# Altium PCB OBC.PcbDoc (part 1 of 2)
Units mil, origin at the board's own origin, x right, y up, seen from the top; angles counter-clockwise.
Board outline 3775.2 x 3550 mil, 4 copper layers (Top Layer, horizontal, vertical, Bottom Layer), stack 70.112 mil thick; 125 components, 157 nets, 629 pads, 282 vias.
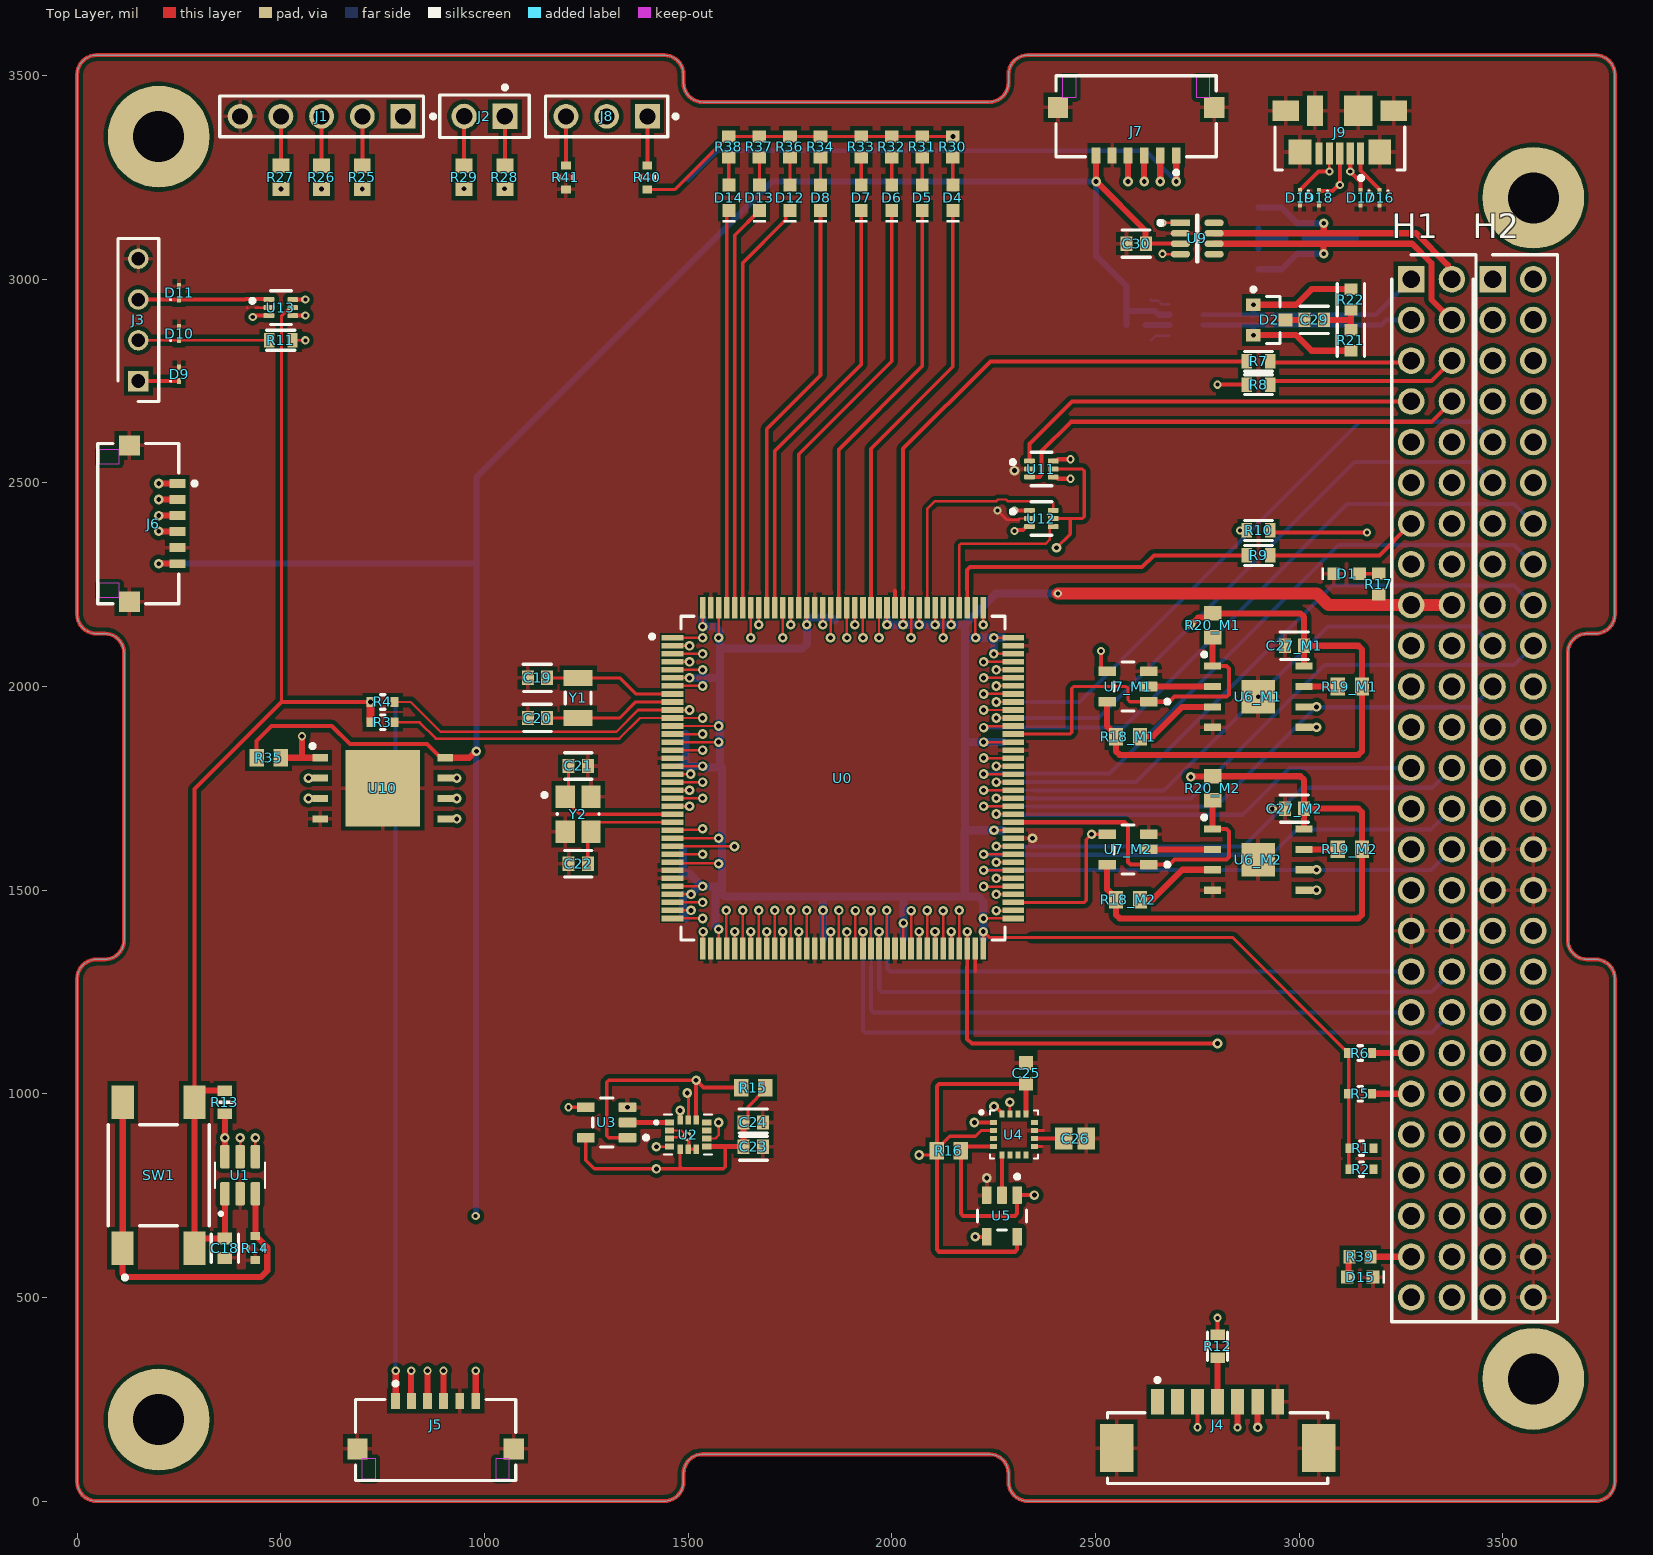
[diagram p0: Top Layer view]
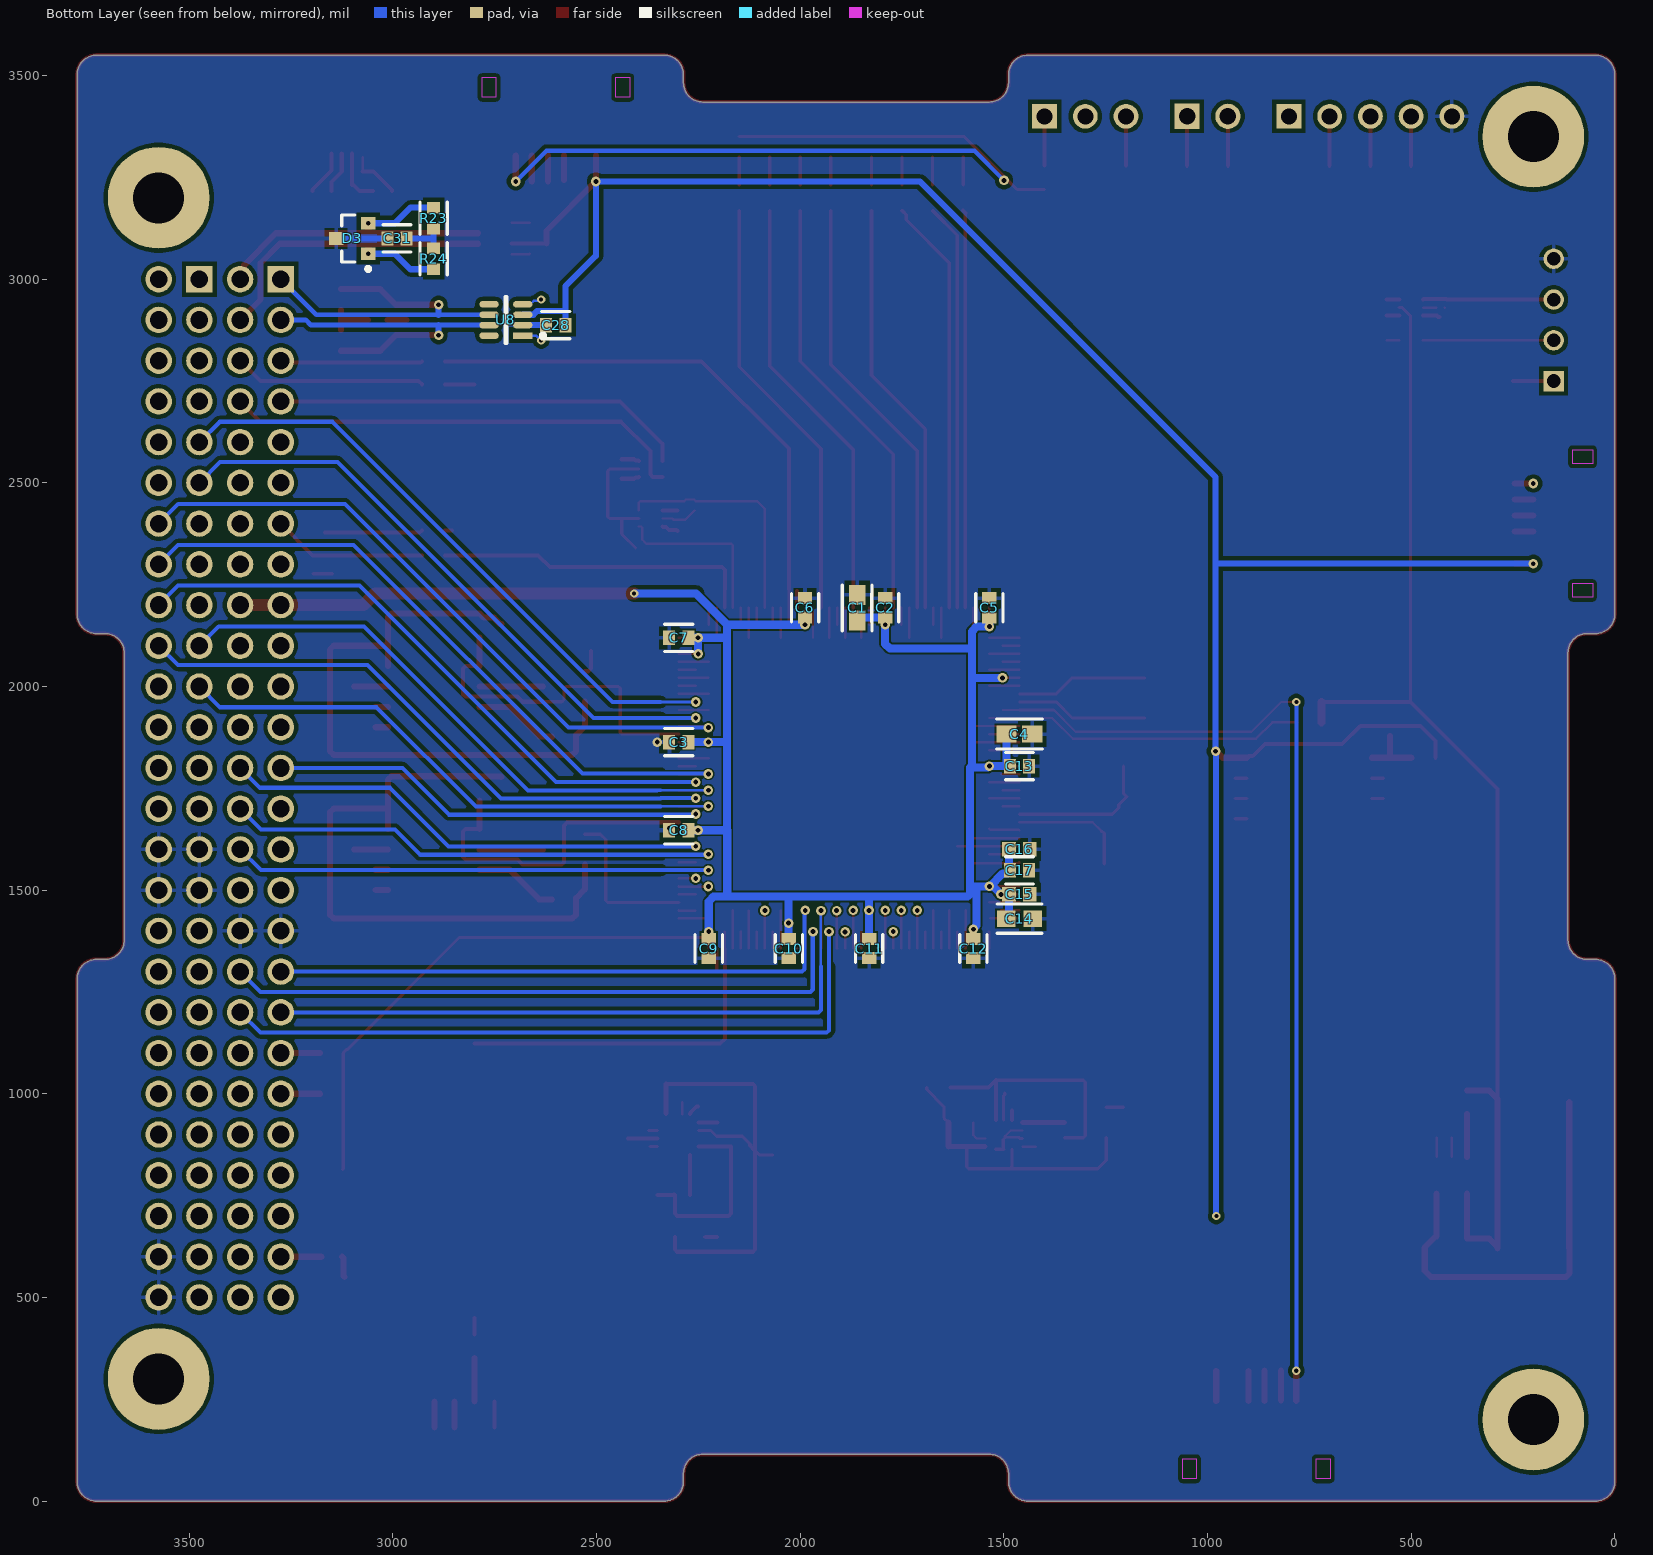
[diagram p1: Bottom Layer view, seen from below]
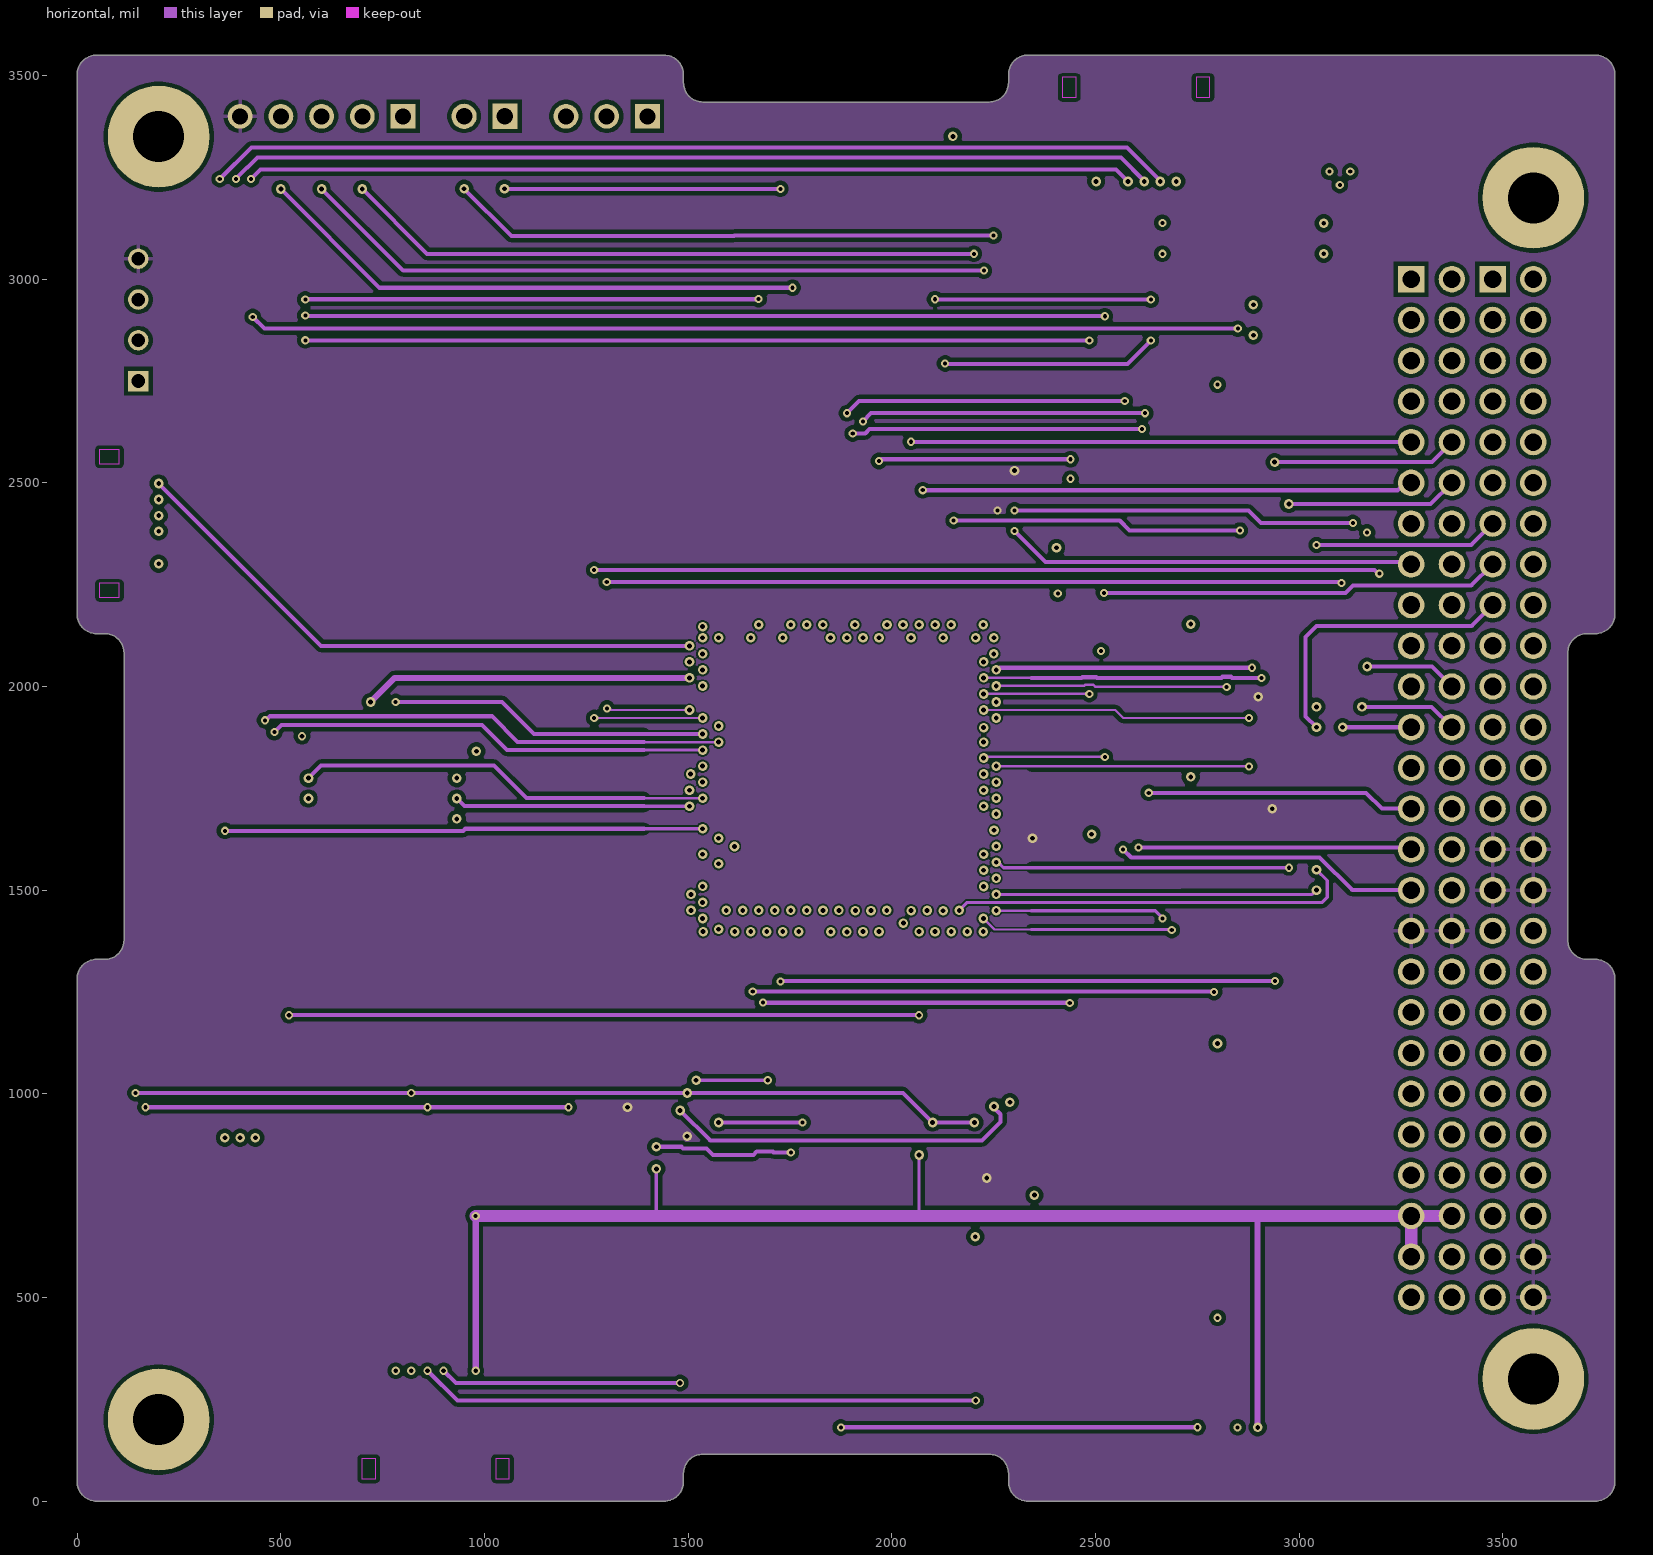
[diagram p2: horizontal]
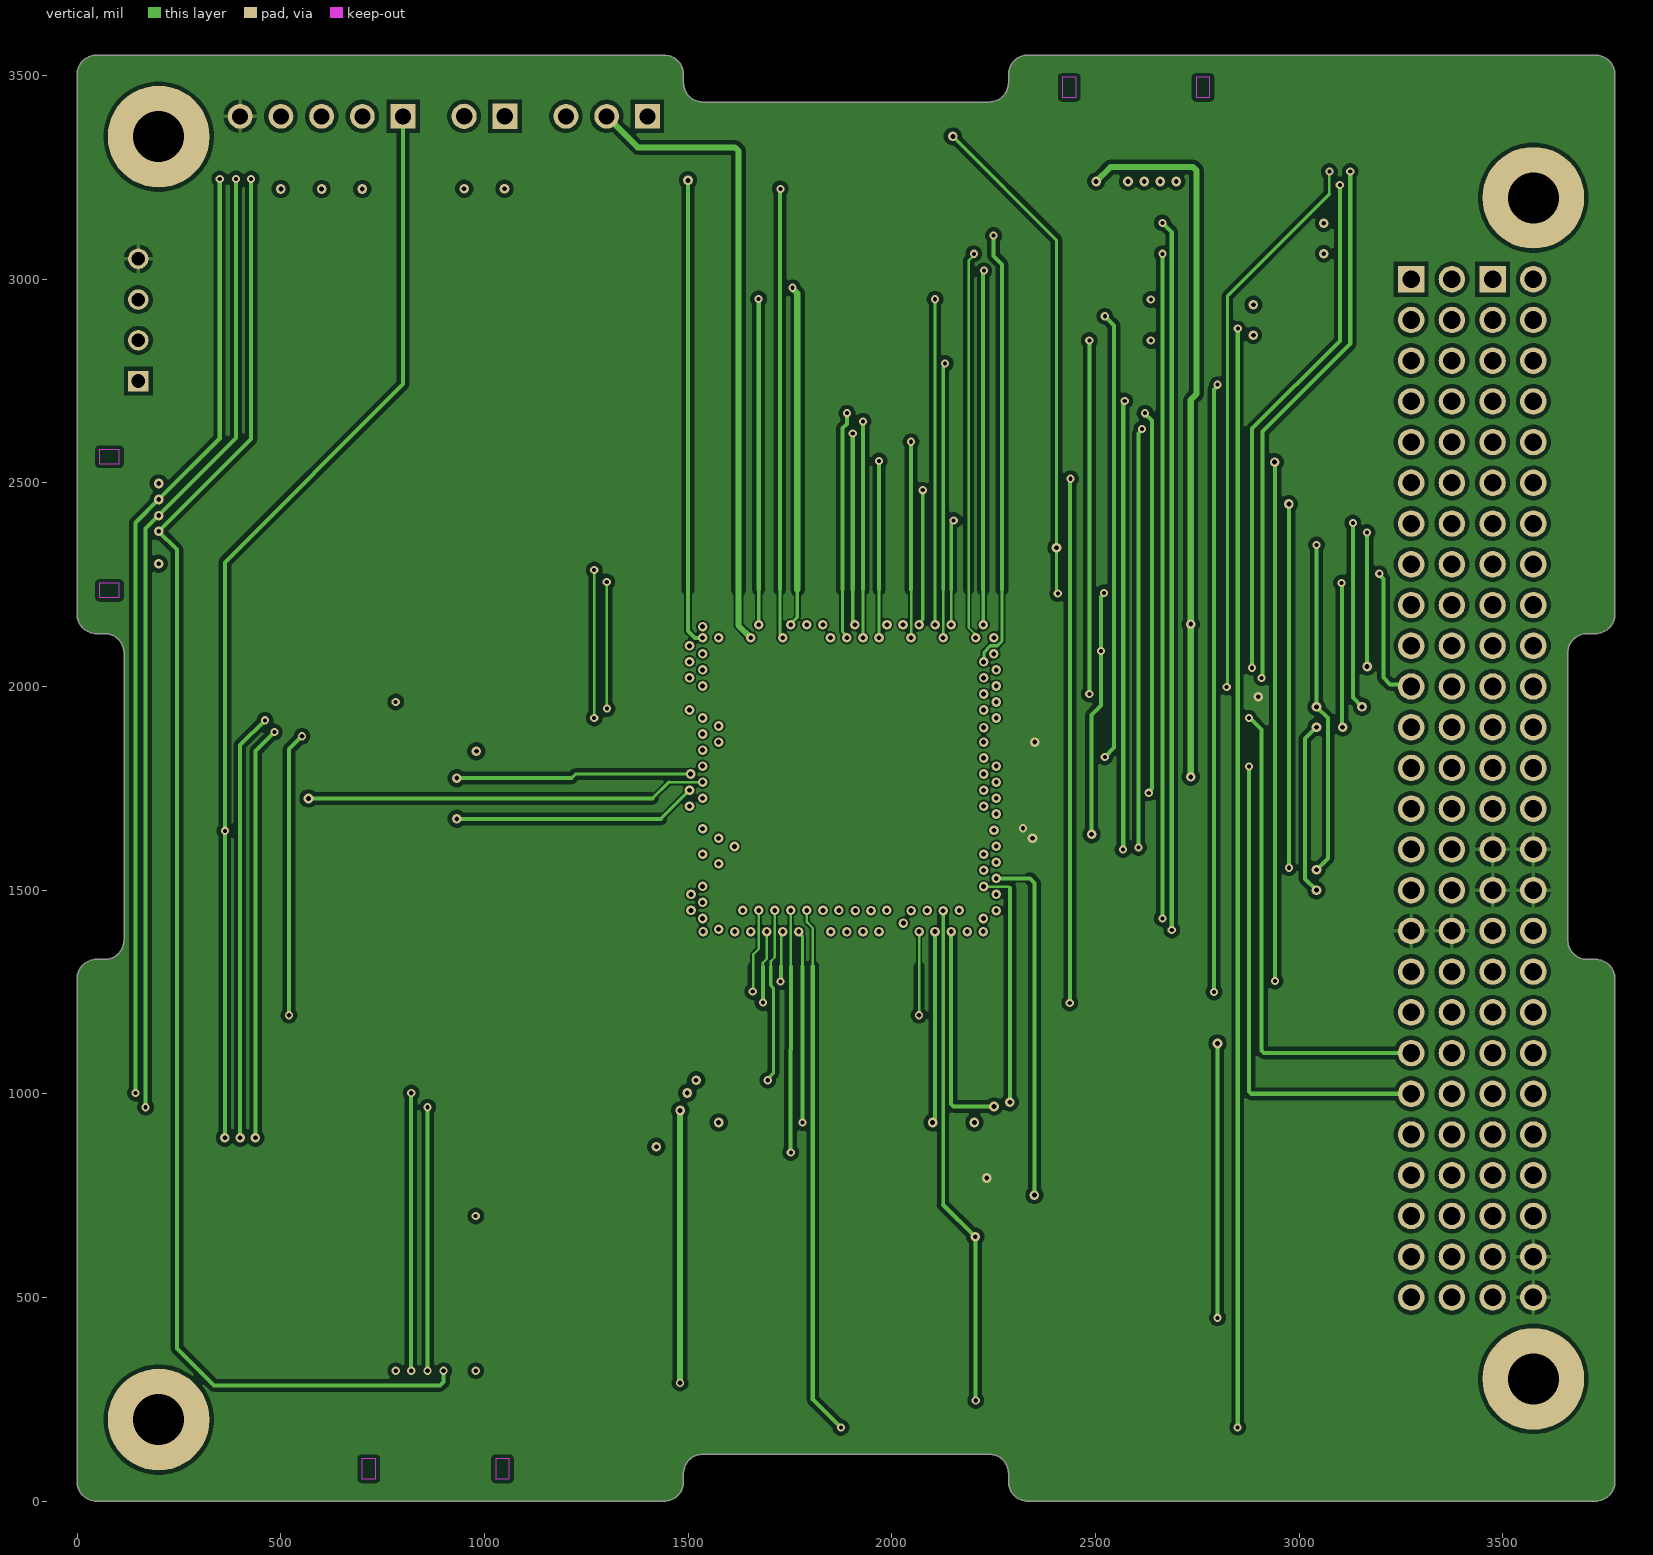
[diagram p3: vertical]
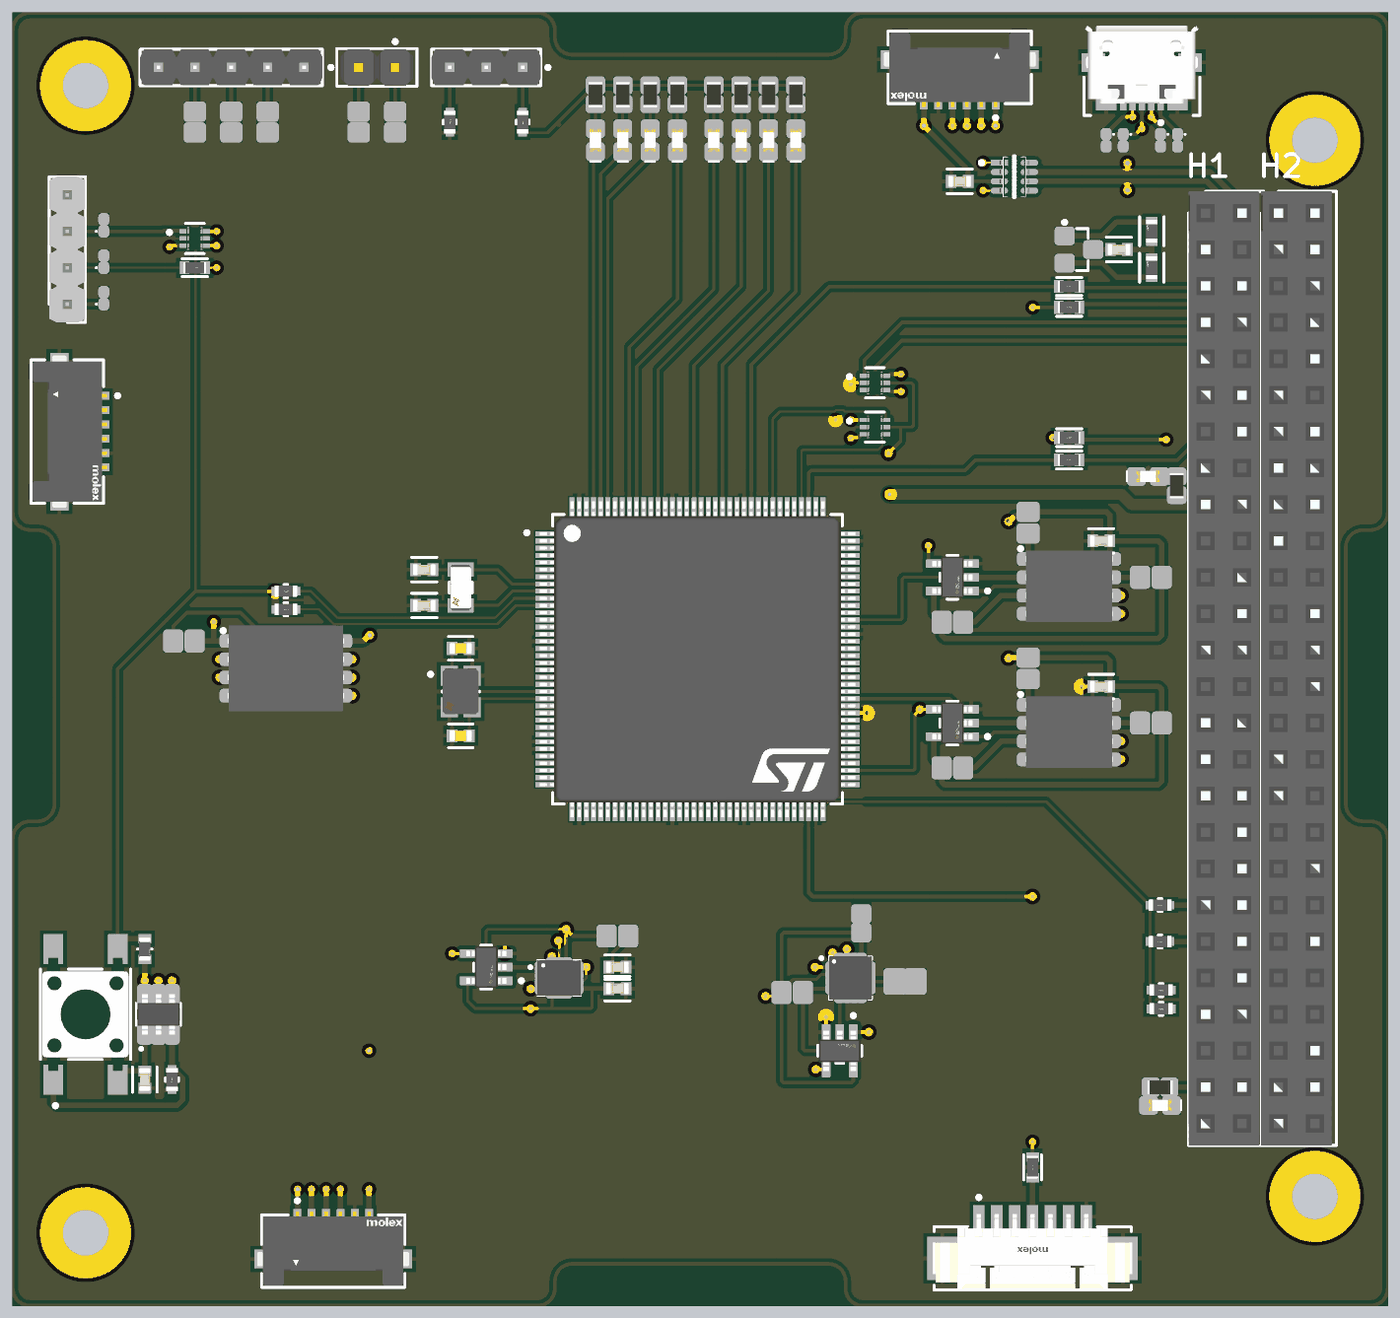
[diagram p5: 3D render of the assembled board from above, using the file's embedded part models]
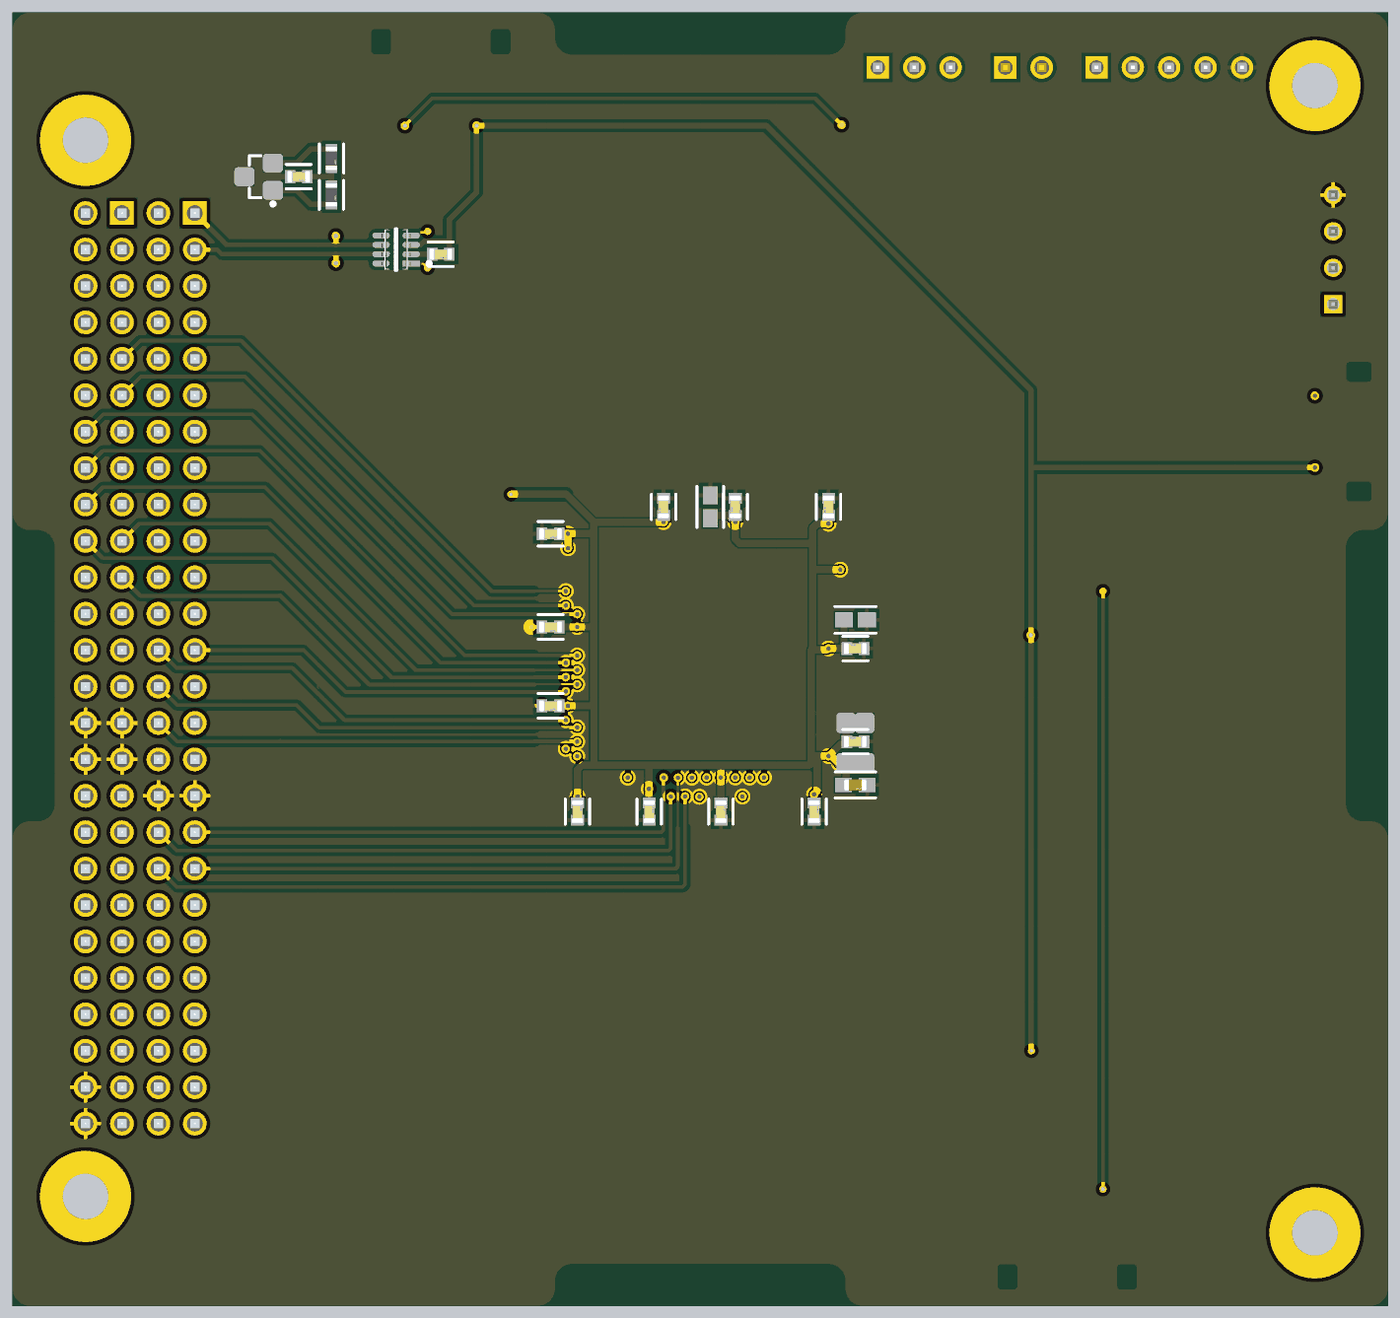
[diagram p6: 3D render of the assembled board from below, using the file's embedded part models]

## Layer stack, top to bottom
Top Solder: solder mask 0.5, Solder Resist, Dk 3.3
Top Layer: signal copper 1.378
Dielectric 1: prepreg 2.8, PP-006, Dk 4.1
horizontal: signal copper 1.378
Dielectric1: core 59, FR-4, Dk 4.3
vertical: signal copper 1.378
Dielectric 2: prepreg 2.8, PP-006, Dk 4.1
Bottom Layer: signal copper 1.378
Bottom Solder: solder mask 0.5, Solder Resist, Dk 3.3

## Board outline
0,47.24 0,1282.68 cw(c47.24,1282.68) 47.24,1329.92 67.72,1329.92 ccw(c67.72,1377.17) 114.96,1377.17 114.96,2082.68 ccw(c67.72,2082.68) 67.72,2129.92 47.24,2129.92 cw(c47.24,2177.17) 0,2177.17 0,3502.76 cw(c47.24,3502.76) 47.24,3550 1441.34,3550 cw(c1441.34,3502.76) 1488.58,3502.76 1488.58,3482.28 ccw(c1535.83,3482.28) 1535.83,3435.04 2239.37,3435.04 ccw(c2239.37,3482.28) 2286.61,3482.28 2286.61,3502.76 cw(c2333.86,3502.76) 2333.86,3550 3727.95,3550 cw(c3727.95,3502.76) 3775.2,3502.76 3775.2,2177.17 cw(c3727.95,2177.17) 3727.95,2129.92 3707.09,2129.92 ccw(c3707.09,2082.68) 3659.84,2082.68 3659.84,1377.17 ccw(c3707.09,1377.17) 3707.09,1329.92 3727.95,1329.92 cw(c3727.95,1282.68) 3775.2,1282.68 3775.2,47.24 cw(c3727.95,47.24) 3727.95,0 2333.86,0 cw(c2333.86,47.24) 2286.61,47.24 2286.61,67.72 ccw(c2239.37,67.72) 2239.37,114.96 1535.83,114.96 ccw(c1535.83,67.72) 1488.58,67.72 1488.58,47.24 cw(c1441.34,47.24) 1441.34,0 47.24,0 cw(c47.24,47.24)

## Design rules (kind name [scope] priority, off if disabled: settings)
Clearance Clearance_1 [WithinRoom('mcu')] p1: gap=4 ignorepadtopadclearanceinfootprint=FALSE
Clearance [All] p2: gap=10 ignorepadtopadclearanceinfootprint=TRUE
DiffPairsRouting [All] p1: maxlimit=10 minlimit=10 mostfreqgap=10 toplayer_minwidth=10 toplayer_maxwidth=10 toplayer_prefwidth=10 midlayer1_minwidth=10 midlayer1_maxwidth=10 midlayer1_prefwidth=10 midlayer2_minwidth=10 midlayer2_maxwidth=10 midlayer2_prefwidth=10 bottomlayer_minwidth=10 bottomlayer_maxwidth=10 bottomlayer_prefwidth=10 maxuncoupledlength=500
HoleSize [All] p1: absolutevalues=TRUE maxlimit=300 minlimit=10 maxpercent=80.000 minpercent=20.000
MinimumAnnularRing [All] p1: minimumring=10
PasteMaskExpansion [All] p1: expansion=10
PlaneClearance [All] p1: clearance=15
PlaneConnect [All] p1: pad.planeconnectstyle=Relief pad.reliefexpansion=20 pad.reliefentries=4 pad.reliefconductorwidth=10 pad.reliefairgap=10 via.planeconnectstyle=Direct via.reliefexpansion=20 via.reliefentries=4 via.reliefconductorwidth=10 via.reliefairgap=10
PolygonConnect [All] p1: thpad.connectstyle=Relief thpad.reliefconductorwidth=10 thpad.reliefentries=4 thpad.polygonreliefangle="90 Angle" thpad.airgapwidth=10 smdpad.connectstyle=Relief smdpad.reliefconductorwidth=10 smdpad.reliefentries=4 smdpad.polygonreliefangle="90 Angle" smdpad.airgapwidth=10 via.connectstyle=Direct via.reliefconductorwidth=10 via.reliefentries=4 via.polygonreliefangle="90 Angle" via.airgapwidth=10
RoomDefinition mcu [InComponentClass('Room Definition1')] p1: confinementstyle=ConfineIn formatcopy=TRUE lockcomponents=FALSE outline 1391.65,1312.24 1391.65,2237.76 2342.76,2237.76 2342.76,1312.24
RoutingVias [All] p1: holewidth=10 width=20 viastyle="Through Hole" minholewidth=10 minwidth=20 maxholewidth=10 maxwidth=20
SMDNeckDown [All] p1: percent=100.000
SilkToSolderMaskClearance SilkscreenOverComponentPads [IsPad] p1: minsilkscreentomaskgap=10 clearancetoexposedcopper=TRUE
SolderMaskExpansion [All] p1: expansion=10 istentingtop=FALSE
SupplyNets "Schematic Supply Nets_5" [InNet('3V3_A')] p1: voltage=0.000
SupplyNets "Schematic Supply Nets" [InNet('VDD_MCU')] p2: voltage=0.000
SupplyNets "Schematic Supply Nets_3" [InNet('GND')] p3: voltage=0.000
Width Width_1 [WithinRoom('mcu')] p1: maxlimit=20 minlimit=6 preferedwidth=8
Width [All] p2: maxlimit=50 minlimit=6 preferedwidth=10
24 further rules are at their usual default settings.

## Classes and differential pairs
channel class MRAM_MR25H40: M1 M2
component class Watchdog: C18 R13 R14 SW1 U1
component class U_NorFlash: R35 U10
component class U_MCU: R7 R8 R9 R10 R11 R12 U11 U12 U13
component class U_CAN2: C30 C31 D3 R23 R24 U9
component class U_CAN1: C28 C29 D2 R21 R22 U8
component class PC104_52-52: D1 D15 H1 H2 R1 R2 R3 R4 R5 R6 R17 R39
component class MMC5983MA: C25 C26 R16 U4 U5
component class MCU_Power: C1 C2 C3 C4 C5 C6 C7 C8 C9 C10 C11 C12 C13 C14 C15 C16 C17 U0
component class M2: C27_M2 R18_M2 R19_M2 R20_M2 U6_M2 U7_M2
component class M1: C27_M1 R18_M1 R19_M1 R20_M1 U6_M1 U7_M1
component class ISM330ISN: C23 C24 R15 U2 U3
component class Crystals: C19 C20 C21 C22 Y1 Y2
component class U_Ports: D4 D5 D6 D7 D8 D9 D10 D11 D12 D13 D14 D16 D17 D18 D19 J1 J2 J3 J4 J5 J6 J7 J8 J9 R25 R26 R27 R28 R29 R30 R31 R32 R33 R34 R36 R37 R38 R40 R41
